# Altium PCB AD9954.PcbDoc
Units mm, origin at the board's own origin, x right, y up, seen from the top; angles counter-clockwise.
Board outline 70 x 49 mm, 2 copper layers (Top Layer, Bottom Layer); 82 components, 56 nets, 272 pads, 45 vias.
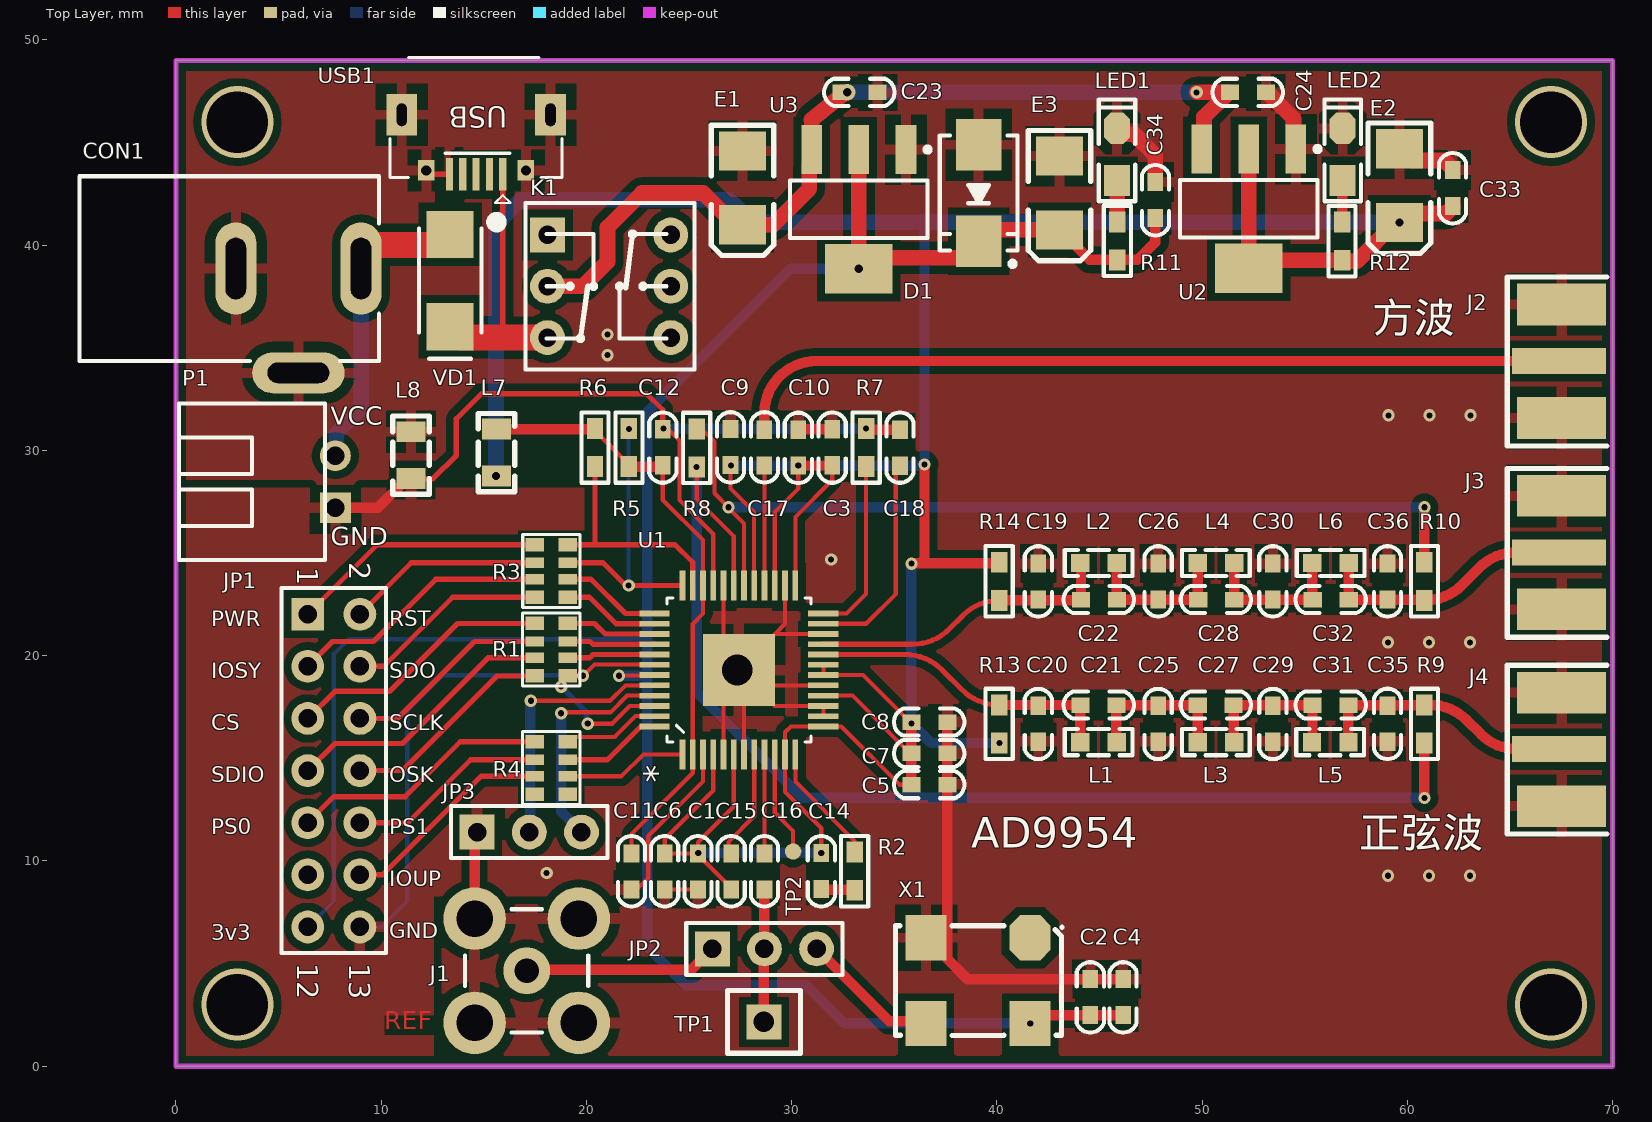
[diagram p0: Top Layer view]
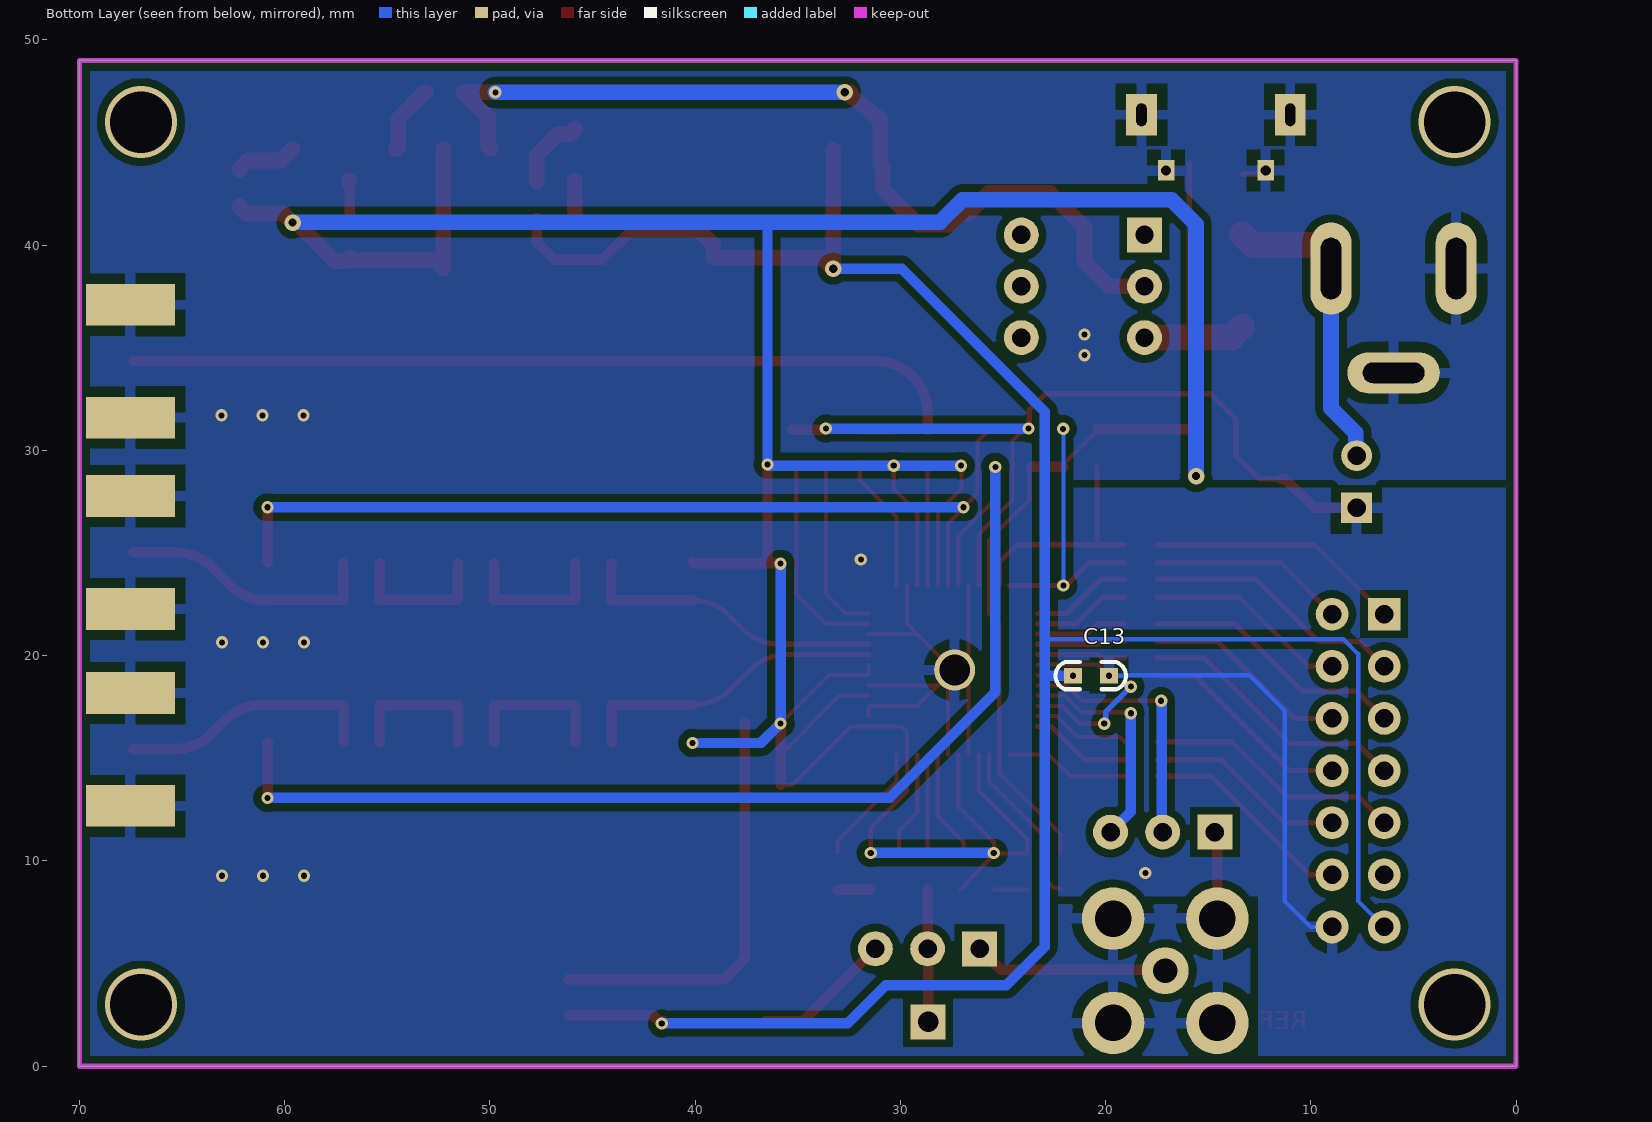
[diagram p1: Bottom Layer view, seen from below]

## Layer stack, top to bottom
Top Solder: solder mask 0.0102, Solder Resist, Dk 3.5
Top Layer: signal copper 0.0356
Dielectric 1: dielectric 0.32, FR-4, Dk 4.8
Bottom Layer: signal copper 0.0356
Bottom Solder: solder mask 0.0102, Solder Resist, Dk 3.5

## Board outline
0,0 70,0 70,49 0,49

## Design rules (kind name [scope] priority, off if disabled: settings)
Clearance [All] p1: gap=0.152 ignorepadtopadclearanceinfootprint=FALSE except(0: Arc-Hole Track-Hole SMDPad-Hole THPad-Hole Via-Hole Fill-Hole Poly-Text Poly-Hole Region-Hole Text-Hole; 0.381: Arc-Poly Track-Poly SMDPad-Poly THPad-Poly Via-Poly Fill-Poly Poly-Poly)
HoleSize [All] p1: absolutevalues=TRUE maxlimit=5.08 minlimit=0.025 maxpercent=80.000 minpercent=20.000
HoleToHoleClearance [All] p1: gap=0 allowstackedmicrovias=TRUE
MinimumSolderMaskSliver [All] p1: minsoldermaskwidth=0
PolygonConnect [All] p1: thpad.connectstyle=Relief thpad.reliefconductorwidth=0.508 thpad.reliefentries=4 thpad.polygonreliefangle="90 Angle" thpad.airgapwidth=0.508 smdpad.connectstyle=Relief smdpad.reliefconductorwidth=0.508 smdpad.reliefentries=4 smdpad.polygonreliefangle="90 Angle" smdpad.airgapwidth=0.508 via.connectstyle=Direct via.reliefconductorwidth=0.508 via.reliefentries=4 via.polygonreliefangle="90 Angle" via.airgapwidth=0.508
RoutingVias [All] p1: holewidth=0.3 width=0.6 viastyle="Through Hole" minholewidth=0.3 minwidth=0.6 maxholewidth=3 maxwidth=4
ShortCircuit [All] p1: allowed=TRUE
SilkToSilkClearance [All] p1: silktosilkclearance=0
SilkToSolderMaskClearance [IsPad] p1: minsilkscreentomaskgap=0 clearancetoexposedcopper=TRUE
SolderMaskExpansion [All] p1: expansion=0.102
Width [All] p1: maxlimit=5.08 minlimit=0.025 preferedwidth=0.254
24 further rules are at their usual default settings.

## Components (designator, comment, footprint, x,y, rotation, side; value= is the part's Value field where it differs from the comment)
C1 "104" "C 0603" 25.438,9.5 r90 top
C2 "103" "C 0603" 44.552,3.353 r270 top
C3 "104" "C 0603" 31.978,30.139 r270 top
C4 "104" "C 0603" 46.152,3.353 r270 top
C5 "104" "C 0603" 36.703,13.716 r180 top
C6 "104" "C 0603" 23.819,9.5 r90 top
C7 "104" "C 0603" 36.703,15.24 r180 top
C8 "104" "C 0603" 36.703,16.764 r180 top
C9 "104" "C 0603" 27.026,30.15 r270 top
C10 "104" "C 0603" 30.327,30.124 r270 top
C11 "104" "C 0603" 22.2,9.5 r90 top
C12 "104" "C 0603" 23.722,30.139 r270 top
C13 "104" "C 0603" 20.726,19.025 r0 bottom
C14 "0.01uF" "C 0603" 31.445,9.5 r270 top
C15 "0.1uF" "C 0603" 27.057,9.5 r90 top
C16 "0.01uF" "C 0603" 28.677,9.5 r90 top
C17 "0.1uF" "C 0603" 28.676,30.15 r90 top
C18 "1uF" "C 0603" 35.281,30.139 r90 top
C19 "22pF" "C 0603" 42.018,23.622 r90 top
C20 "22pF" "C 0603" 42.018,16.673 r270 top
C21 "2.2pF" "C 0603" 44.964,17.592 r0 top
C22 "2.2pF" "C 0603" 44.964,22.733 r180 top
C23 "103" "C 0603" 33.299,47.447 r180 top
C24 "103" "C 0603" 52.222,47.447 r180 top
C25 "33pF" "C 0603" 47.86,16.673 r270 top
C26 "33pF" "C 0603" 47.86,23.622 r90 top
C27 "6.8pF" "C 0603" 50.673,17.592 r0 top
C28 "6.8pF" "C 0603" 50.673,22.733 r180 top
C29 "27pF" "C 0603" 53.448,16.673 r270 top
C30 "27pF" "C 0603" 53.448,23.622 r90 top
C31 "13pF" "C 0603" 56.267,17.592 r0 top
C32 "13pF" "C 0603" 56.261,22.733 r180 top
C33 "104" "C 0603" 62.205,42.774 r270 top
C34 "104" "C 0603" 47.727,42.189 r270 top
C35 "13pF" "C 0603" 59.036,16.675 r270 top
C36 "13pF" "C 0603" 59.036,23.622 r90 top
CON1 "3.5*1.3" DC-005 9.906,38.862 r180 top
D1 "SMBJ3.3A" SMB 39.116,42.545 r270 top
E1 "100uF" "CD B(3528)" 27.61,42.799 r90 top
E2 "10uF" "CD B(3528)" 59.614,42.901 r90 top
E3 "10uF" "CD B(3528)" 43.053,42.545 r90 top
J1 "COAX" MCX5.08-5 17.094,4.648 r270 top
J2 "COAX" MCX5.08-5-H 67.386,34.358 r180 top
J3 "COAX" MCX5.08-5-H 67.386,25.036 r180 top
J4 "COAX" MCX5.08-5-H 67.386,15.446 r180 top
JP1 "Header 2X7" HDR-7X2 6.426,22.022 r270 top
JP2 "HDR-1X3" HDR-1X3 26.137,5.715 r0 top
JP3 "HDR-1X3" HDR-1X3 14.681,11.405 r0 top
K1 "BUTTON" "KFT DIP-8X8" 21.107,37.998 r0 top
L1 "68nH" "L 0603" 44.958,15.786 r180 top
L2 "68nH" "L 0603" 44.958,24.511 r0 top
L3 "56nH" "L 0603" 50.673,15.786 r180 top
L4 "56nH" "L 0603" 50.673,24.511 r0 top
L5 "39nH" "L 0603" 56.242,15.786 r180 top
L6 "39nH" "L 0603" 56.261,24.511 r0 top
L7 "10uH" "L 0805" 15.621,29.896 r90 top
L8 "10uH" "L 0805" 11.455,29.769 r270 top
LED1 "红色" "LED 0805G" 45.853,44.425 r90 top
LED2 "红色" "LED 0805G" 56.852,44.425 r90 top
P1 "Header 2" HDR2X1_B2 7.772,27.203 r90 top
R1 "100R" RCA-8P4R-0603 18.288,20.295 r270 top
R2 "240R" "R 0603" 33.071,9.5 r90 top
R3 "100R" RCA-8P4R-0603 18.296,24.126 r270 top
R4 "100R" RCA-8P4R-0603 18.288,14.529 r270 top
R5 "4.7K" "R 0603" 22.073,30.138 r270 top
R6 "4.7K" "R 0603" 20.422,30.138 r90 top
R7 "3.9K" "R 0603" 33.631,30.138 r90 top
R8 "75R" "R 0603" 25.375,30.124 r270 top
R9 "75R" "R 0603" 60.833,16.675 r270 top
R10 "75R" "R 0603" 60.833,23.622 r90 top
R11 "1.1K" "R 0603" 45.872,40.208 r270 top
R12 "470R" "R 0603" 56.82,40.195 r270 top
R13 "75R" "R 0603" 40.113,16.673 r270 top
R14 "75R" "R 0603" 40.113,23.622 r270 top
TP1 "TEST TP" "TEST TP1.4_B" 28.651,2.159 r0 top
TP2 "CHECK" CHECK-C 30.074,10.465 r0 top
U1 "AD9954" SV_48_4 27.432,19.304 r90 top value=Value
U2 "AMS1117-1.8" SOT223_N 52.273,41.783 r270 top
U3 "AMS1117-3.3" SOT223_N 33.274,41.758 r270 top
USB1 "USB-5P" USB-MICRO_B 14.63,46.355 r180 top
VD1 "SS34" DIODE-SMA 13.36,38.278 r270 top
X1 "XTAL" X-CPX75 39.294,4.343 r180 top

## Footprints (in the part's own frame and the unit in brackets; to place one, negate y for a bottom-side part, rotate by r counter-clockwise, add the part's x,y. Pads: shape width x height; smd on the part's side, far side on the other; paste and mask are expansions set on the pad)
"C 0603" [mil] "无极性贴片电容"
  rect 35x30 smd: 1(-35,0) 2(34,0)
  silkscreen extent -67,-26 67,26, body extent -31,-16 31,16, height 32
"CD B(3528)" [mil] "长3.5mm，宽2.8mm，厚1.9mm"
  rect 75x90 smd: 1(-70.87,-0.01) 2(70.86,-0.01)
  silkscreen extent -130,-60 120,60, body extent -69,-55 69,55, height 75
CHECK-C [mm] "测试点"
  round 0.8 smd: 1(0,0)
DC-005 [mm] "DC母座5.5mm"
  oval 2x4.5 hole 1 slot 3 at 90 deg: 1(0.889,0) 2(6.985,0)
  oval 4.5x2 hole 1 slot 3 at 0 deg: 3(3.937,5.08)
  silkscreen extent 0,-4.5 14.6,4.5, body extent 0,-4.44 14.6,4.45, height 11
DIODE-SMA [mm] "贴片二极管"
  rect 2.3x2.3 smd: 1(-2.25,0) 2(2.25,0)
  silkscreen extent -2.54,-1.52 3.81,1.52, body extent -2.92,-1.4 2.92,1.4, height 3
HDR2X1_B2 [mm] "Connector; Header; 4 Position"
  rect 1.5x1.5 hole 0.9: 1(0,0)
  round 1.5 hole 0.9: 2(2.54,0)
  silkscreen extent -2.54,0.5 5.08,7.62, body extent -2.54,0.38 5.08,7.62, height 5.5
HDR-1X3 [mm] "排针，3脚"
  rect 1.7x1.7 hole 0.9: 1(0,0)
  round 1.7 hole 0.9: 2(2.54,0) 3(5.08,0)
  silkscreen extent -1.27,-1.27 6.35,1.27, body extent -1.27,-1.27 6.35,1.27, height 8.5
HDR-7X2 [mm] "双排排针，7x2脚"
  rect 1.6x1.6 hole 0.9: 1(0,0)
  round 1.6 hole 0.9: 2(0,2.54) 3(2.54,0) 4(2.54,2.54) 5(5.08,0) 6(5.08,2.54) 7(7.62,0) 8(7.62,2.54) 9(10.16,0) 10(10.16,2.54) 11(12.7,0) 12(12.7,2.54) 13(15.24,0) 14(15.24,2.54)
  silkscreen extent -1.27,-1.27 16.51,3.81, body extent -1.27,-1.27 16.51,3.81, height 8.5
"KFT DIP-8X8" [mm] "自锁开关，规格：8*8mm"
  rect 1.7x1.7 hole 0.9: 1(-3,2.5)
  round 1.7 hole 0.9: 2(-3,0) 3(-3,-2.5) 4(3,-2.5) 5(3,0) 6(3,2.5)
  silkscreen extent -5.69,-4.06 4.15,4.06, body extent -3.95,-4.05 4.05,3.95, height 13.1
"L 0603" [mil] "小功率贴片电感"
  rect 35x35 smd: 1(-35,0) 2(35,0)
  silkscreen extent -65,-25 65,25, body extent -31,-16 31,16, height 31
"L 0805" [mil] "小功率贴片电感"
  rect 40x55 smd: 1(-45,0) 2(45,0)
  silkscreen extent -75,-35 75,35, body extent -39,-24 39,24, height 35
"LED 0805G" [mil] "绿色0805LED"
  rect 60x50 smd: 1(-50,0)
  oct 60x50 smd: 2(50,0)
  silkscreen extent -90,-35 105,35, body extent -39,-25 39,25, height 32
MCX5.08-5 [mil] "Connector; RF Coaxial, MCX, Thru-Hole; 5 Position; Right-Angle"
  round 90 hole 47.24: 1(0,0)
  round 120 hole 70: 2(-100,-100) 3(100,-100) 4(100,100) 5(-100,100)
  silkscreen extent -118,-118 118,118
MCX5.08-5-H [mil]
  rect 180x50 smd: 1(0,0)
  rect 170x80 smd: 2(-5,109.25) 5(-5,-108.27)
  rect 170x80 smd far side: 3(-5,108.66) 4(-5,-107.87)
  silkscreen extent -92,-161 99,163, body extent -93,-132 80,134, height 39
"R 0603" [mil] "1/10W贴片电阻"
  rect 40x31.5 smd: 1(-36.5,0) 2(36.5,0)
  silkscreen extent -68,-26 68,26, body extent -31,-16 32,16, height 16
RCA-8P4R-0603 [mm] "3.2mm*1.6mm*0.6mm(长*宽*厚)"
  rect 0.65x0.9 smd: 1(-1.28,-0.8) 4(1.28,-0.8) 5(1.28,0.8) 8(-1.28,0.8)
  rect 0.5x0.9 smd: 2(-0.4,-0.8) 3(0.4,-0.8) 6(0.4,0.8) 7(-0.4,0.8)
  silkscreen extent -1.78,-1.4 1.78,1.4, body extent -1.6,-0.8 1.6,0.8, height 0.6
SMB [mm] "18*7.1mm(宽高)"
  rect 2.5x2.2 smd: 1(-2.35,0) 2(2.35,0)
  silkscreen extent -2.8,-1.9 3.57,1.9, body extent -2.63,-1.8 2.67,1.8, height 2.35
SOT223_N [mm] "SOT223, 4-Leads, Body 6.5x3.5mm, Pitch 2.3mm, Lead Span 7mm, IPC Medium Density"
  rect 2.4x1 smd: 1(-2.9,2.3) 2(-2.9,0) 3(-2.9,-2.3)
  rect 2.4x3.3 smd: 4(2.9,0)
  silkscreen extent -3.02,-3.35 1.4,3.48, body extent -1.85,-3.35 1.85,3.35, height 1.7
SV_48_4 [mil]
  rect 58x11 smd mask+5: 1(-162,108.27) 2(-162,88.58) 3(-162,68.9) 4(-162,49.21) 5(-162,29.53) 6(-162,9.84) 7(-162,-9.84) 8(-162,-29.53) 9(-162,-49.21) 10(-162,-68.9) 11(-162,-88.58) 12(-162,-108.27) 25(162,-108.27) 26(162,-88.58) 27(162,-68.9) 28(162,-49.21) 29(162,-29.53) 30(162,-9.84) 31(162,9.84) 32(162,29.53) 33(162,49.21) 34(162,68.9) 35(162,88.58) 36(162,108.27)
  rect 11x58 smd mask+5: 13(-108.27,-162) 14(-88.58,-162) 15(-68.9,-162) 16(-49.21,-162) 17(-29.53,-162) 18(-9.84,-162) 19(9.84,-162) 20(29.53,-162) 21(49.21,-162) 22(68.9,-162) 23(88.58,-162) 24(108.27,-162) 37(108.27,162) 38(88.58,162) 39(68.9,162) 40(49.21,162) 41(29.53,162) 42(9.84,162) 43(-9.84,162) 44(-29.53,162) 45(-49.21,162) 46(-68.9,162) 47(-88.58,162) 48(-108.27,162)
  rect 138x138 smd: 49(0,0)
  silkscreen extent -138,-138 138,138, body extent -177,-177 177,177, height 47
"TEST TP1.4_B" [mm] "蓝色，测试环"
  rect 1.7x1.7 hole 1: 1(0,0)
  silkscreen extent -1.78,-1.52 1.78,1.52, body extent -1.67,-1.4 1.67,1.4, height 5.41
USB-MICRO_B [mm] "micro型USB ，5.7*7.8*2.5mm"
  rect 0.35x1.6 smd: 1(-1.3,2.9) 2(-0.65,2.9) 3(0,2.9) 4(0.65,2.9) 5(1.3,2.9)
  rect 1.5x2 hole 0.5 slot 1.1 at 90 deg: 5(-3.625,0) 5(3.625,0)
  rect 0.8x1 hole 0.5: 5(-2.425,2.71) 5(2.425,2.71)
  silkscreen extent -4.19,-2.79 4.19,4.3, body extent -4,-2.71 4,2.89, height 2.8
X-CPX75 [mm]
  oct 2x2.2 smd: 1(-2.331,-1.915)
  rect 2x2.2 smd: 2(2.741,-1.915) 3(2.741,2.261) 4(-2.331,2.261)
  silkscreen extent -3.88,-2.5 4.23,2.84, body extent -3.86,-2.49 4.24,2.84, height 1.75

## Part data
C1 C2 C3 C4 C5 C6 C7 C8 C9 C10 C11 C12 C13 C14 C15 C16 C17 C18 C19 C20 C21 C22 C23 C24 C25 C26 C27 C28 C29 C30 C31 C32 C33 C34 C35 C36: library part C, "无极性贴片电容"
CON1: library part P-DC, "低压电源接口", BOM名称=D, 学习资源=ww
D1: library part SMBJ, "TVS"
E1 E2 E3: library part C-CD, "贴片钽电容"
JP1: library part "Header 7X2", "7*2P接插件", BOM名称=7*, 学习资源=ww
JP2 JP3: library part "Header 3", "3P接插件", 学习资源=ww
L1 L2 L3 L4 L5 L6 L7 L8: library part L, "小功率贴片电感"
LED1 LED2: library part LED-SMD, "贴片LED", 学习资源=ww
P1: "接插件", LatestRevisionDate=17-Jul-2002, LatestRevisionNote="Re-released for DXP Platform.", Publisher="Altium Limited"
R1 R3 R4: library part R-8P4R, "贴片网络排阻"
R2 R5 R6 R7 R8 R9 R10 R11 R12 R13 R14: library part R, "贴片电阻"
TP1: "测试环"
TP2: "测试点"
U1: library part AD9954YSVZ, "400MSPS、14位、1.8V CMOS、直接数字频率合成器", Manufacturer_Part_Number=AD9954YSVZ, RefDes=Refdes, Type=Type, Vendor=Vendor
U2 U3: library part AMS1117
USB1: "微型USB母座", 学习资源=ww
VD1: "肖特基二极管"
X1: library part XTAL_Oscillator, "有源晶振", Frequency=20MHz

## Free pads (board coordinates)
  round 2 hole 1.5: 2(27.356,19.304)

## Via types
v1: diameter 0.6, hole 0.3, Top Layer to Bottom Layer, tented both sides, 36 vias
v2: diameter 0.8, hole 0.4, Top Layer to Bottom Layer, tented both sides, 4 vias
v3: diameter 3.5, hole 3, Top Layer to Bottom Layer, tented both sides, 4 vias
v4: diameter 0.6, hole 0.3, Top Layer to Bottom Layer, 1 vias

## Nets (pads, with @x,y where several pads share a name; then routed paths per layer and width w, separated by ;. In a path a pad name is that pad's centre, name@x,y a point inside that pad or via, vN(x,y) a via of type N, cw(c..) or ccw(c..) an arc to the next point about the centre after c; other vN are vias at no path point)
3V3: C2.2 C4.2 C13.2 C34.2 D1.2 E3.1 JP1.13 R11.2 U1.43 U3.2 U3.4 X1.4 | length 120.2
  Top Layer w0.203: v1(21.59,19.025) 21.605,19.039 23.303,19.039 U1.43
  Top Layer w0.508: X1.4@41.58,2.184 41.625,2.139 v1(41.625,2.083) 42.031,2.489 C2.2 C4.2 ; E3.1 44.517,39.281 R11.2 46.855,39.281 47.727,40.153 C34.2
  Top Layer w0.762: U3.2 v2(33.274,38.858) 33.806,39.389 39.116,39.389 39.116,40.026 39.835,40.745 E3.1
  Bottom Layer w0.203: JP1.13 7.696,8.052 7.696,20.091 8.407,20.803 22.784,20.803
  Bottom Layer w0.508: C13.2@21.615,19.05 v1(21.59,19.025) 22.962,19.025 ; v2(33.274,38.858) 29.942,38.858 22.962,31.877 22.962,19.025 ; v1(41.625,2.083) 32.563,2.083 30.709,3.937 24.841,3.937 22.962,5.817 22.962,19.025
AVDD: C1.2 C3.2 C5.2 C6.2 C7.2 C8.2 C9.2 C10.2 C14.1 C15.1 C33.2 E2.1 L7.1 R12.2 R13.2 R14.1 U1.4 U1.6 U1.11 U1.13 U1.16 U1.18 U1.19 U1.25 U1.27 U1.29 U2.2 U2.4 | length 188.1
  Top Layer w0.203: C1.2@25.438,10.3 26.778,8.96 26.778,8.89 C15.1 ; C1.2 C6.2 23.819,11.068 26.182,13.431 U1.4 ; C1.2@25.438,10.389 25.438,10.909 27.182,12.653 U1.6 ; C9.2 27.026,28.143 28.169,27 28.169,23.432 U1.29 ; U1.27 29.182,26.998 30.327,28.143 v1(30.327,29.261) ; U1.25@30.182,23.381 U1.25 30.182,26.764 31.979,28.56 C3.2 ; v1(31.445,10.389) 31.445,11.608 29.682,13.371 U1.11 29.682,16.271 29.965,16.554 U1.13 32.417,16.554 35.255,13.716 C5.2 ; U1.16 32.962,18.054 35.776,15.24 C7.2 ; U1.19 U1.18 33.486,19.054 C8.2@35.776,16.764 ; v1(35.839,16.7) C8.2
  Top Layer w0.508: C9.2 v1(27.051,29.261) ; v1(30.327,29.261) 30.335,29.268 31.971,29.268 C3.2 ; C8.2@35.776,16.764 v1(35.839,16.7) C7.2 C5.2 ; v1(35.839,24.486) 35.857,24.503 36.289,24.503 ; v1(36.474,29.312) 36.474,24.689 36.289,24.503 ; R13.2 v1(40.13,15.746) ; R14.1 40.067,24.503 36.289,24.503
  Top Layer w0.762: U2.2 U2.4 52.658,39.268 R12.2 56.82,39.376 56.978,39.218 57.541,39.218 59.423,41.1 v2(59.614,41.1) 60.055,41.542 61.9,41.542 62.205,41.846 C33.2
  Bottom Layer w0.508: v1(25.451,10.389) v1(31.445,10.389) ; v1(27.051,29.261) v1(30.327,29.261) 36.399,29.261 36.45,29.312 v1(36.474,29.312) 36.474,40.923 36.678,41.126 ; v1(35.839,24.486) v1(35.839,16.7) 36.794,15.746 v1(40.13,15.746)
  Bottom Layer w0.762: v2(15.596,28.753) 15.596,41.021 16.789,42.215 26.975,42.215 28.064,41.126 36.678,41.126 v2@59.614,41.126
AVSS: C1.1 C2.1 C3.1 C4.1 C5.1 C6.1 C7.1 C8.1 C9.1 C10.1 C19.2 C20.2 C23.1 C24.1 C25.2 C26.2 C29.2 C30.2 C33.1 C34.1 C35.2 C36.2 CON1.2 CON1.3 D1.1 E1.2 E2.2 E3.2 J1.2 J1.3 J1.4 J1.5 J2.2 J2.3 J2.4 J2.5 J3.2 J3.3 J3.4 J3.5 J4.2 J4.3 J4.4 J4.5 JP3.1 L8.1 LED1.2 LED2.2 pad.2 U1.5 U1.7 U1.14 U1.15 U1.17 U1.22 U1.26 U1.32 U1.49 U2.1 U3.1 USB1.5 X1.2 | length 68.3
  Top Layer w0.203: C6.1 C1.1 ; U1.5 26.682,18.554 U1.49 ; U1.32 26.682,20.054 U1.49 ; U1.7 U1.49@27.682,19.054 ; U1.26 29.682,21.554 U1.49@29.182,21.054 ; U1.14 U1.15 29.182,17.554 U1.49@28.182,18.554 ; U1.17 U1.49@28.182,18.554 ; U1.22 U1.49@29.182,21.054 ; U1.49 U1.49@29.182,21.054 ; U1.49 U1.49@27.682,19.054 ; U1.49@27.682,19.054 U1.49@28.182,18.554
  Top Layer w0.254: USB1.5@12.205,43.645 12.395,43.455 USB1.5@13.33,43.455
  Top Layer w0.508: J1.2 14.554,11.278 JP3.1 ; C10.1 30.327,31.028 C3.1 ; C8.1 C7.1 C5.1 37.592,5.232 37.586,5.226 38.57,4.242 C2.1 C4.1
  Top Layer w0.762: LED1.2 45.853,45.662 46.107,45.408 46.692,45.408 47.727,44.374 C34.1 ; C24.1 53.175,47.447 54.454,46.168 54.454,44.802 U2.1 ; E2.2 60.185,44.129 61.802,44.129 62.205,43.726 C33.1
  other v1: 59.055,9.279 61.055,9.279 63.055,9.279 59.055,20.65 61.055,20.65 63.055,20.65 31.928,24.689 59.08,31.71 61.08,31.71 63.08,31.71 21.031,34.646 21.031,35.646
CS: JP1.5 R1.1 | length 13
  Top Layer w0.254: JP1.5 7.747,18.263 10.413,18.263 13.725,21.575 R1.1
DVDD: C11.2 C12.2 L7.2 R5.2 R6.2 U1.2 U1.34 | length 30.2
  Top Layer w0.203: R6.2 20.422,30.957 21.761,29.617 21.774,29.617 22.073,29.319 R5.2 ; C11.2 22.2,11.303 25.182,14.285 U1.2 25.182,21.55 25.682,22.05 U1.34 25.682,25.634 23.722,27.594 C12.2 C12.2@23.658,29.211
  Top Layer w0.508: L7.2 20.395,31.039 R6.2 ; R5.2 C12.2@23.658,29.211
GND: C11.1 C12.1 C13.1 C18.2 JP1.14 L8.2 P1.1 R7.2 U1.3 U1.33 U1.42 | length 74.3
  Top Layer w0.203: v1(19.837,19.025) 20.391,19.579 23.293,19.579 U1.42 ; C11.1 22.2,8.674 22.517,8.674 23.012,9.169 23.012,11.201 25.682,13.871 U1.3 ; C12.1@23.988,31.028 24.536,30.48 24.536,27.579 26.182,25.933 U1.33
  Top Layer w0.254: L8.2 12.535,28.626 13.665,29.756 13.665,31.547 14.884,32.766 22.936,32.766 23.722,31.98 C12.1
  Top Layer w0.508: P1.1 9.842,27.203 11.265,28.626 L8.2 ; C12.1 v1(23.759,31.065) ; v1(33.631,31.065) ccw(c33.693,31.065) 33.693,31.003 C18.2
  Bottom Layer w0.203: JP1.14 10.008,6.782 11.278,8.052 11.278,17.323 13,19.045 19,19.045 19.021,19.025 v1(19.837,19.025) 19.837,19.05 C13.1@20.015,19.228
  Bottom Layer w0.508: v1(23.759,31.065) v1(33.631,31.065)
  other v4: 18.066,9.411
I\O\U\T\: C31.2 C35.1 J4.1 L5.1 R9.1 | length 12.7
  Top Layer w0.508: L5.1 C31.2 60.809,17.592 ccw(c60.809,17.627) R9.1 61.102,17.602 cw(c61.102,15.062) 62.898,16.858 63.566,16.19 ccw(c65.362,17.986) 65.362,15.446 J4.1
IOSY: JP1.3 R3.3 | length 12.8
  Top Layer w0.254: JP1.3 7.639,20.695 9.635,20.695 12.666,23.726 R3.3
IOUP: JP1.12 R4.3 | length 10.5
  Top Layer w0.254: JP1.12 10.058,9.322 14.866,14.129 R4.3
IOUT: C32.1 C36.1 J3.1 L6.2 R10.1 | length 12.8
  Top Layer w0.508: L6.2 C32.1 C36.1 60.795,22.733 cw(c60.795,22.695) R10.1 60.86,22.695 ccw(c60.86,25.235) 62.656,23.439 63.509,24.292 cw(c65.306,22.496) 65.306,25.036 J3.1
NetC14_2: C14.2 R2.1 | length 1.7
  Top Layer w0.508: C14.2 31.477,8.604 33.039,8.604 R2.1
NetC15_2: C15.2 U1.8 | length 5.3
  Top Layer w0.203: C15.2@26.924,10.389 26.924,10.922 28.182,12.18 U1.8
NetC16_1: C16.1 JP2.2 TP1.1 | length 6.5
  Top Layer w0.508: TP1.1 28.651,5.69 JP2.2 C16.1
NetC16_2: C16.2 U1.9 | length 4.8
  Top Layer w0.203: C16.2@28.575,10.389 28.682,10.496 U1.9
NetC17_1: C17.1 U1.28 | length 5.8
  Top Layer w0.203: C17.1 28.682,29.255 U1.28
NetC17_2: C17.2 J2.1 | length 41
  Top Layer w0.508: C17.2 28.676,31.818 cw(c31.216,31.818) 31.216,34.358 J2.1
NetC18_1: C18.1 U1.23 | length 10.5
  Top Layer w0.203: U1.23 33.619,21.554 35.077,23.012 35.077,29.047 C18.1
NetC19_1: C19.1 C22.2 L2.1 R14.2 U1.21 | length 15
  Top Layer w0.254: U1.21 35.885,20.554 ccw(c35.885,23.094) 37.681,21.298 38.346,21.963 cw(c40.113,20.196) R14.2
  Top Layer w0.508: R14.2 44.009,22.695 ccw(c44.009,22.825) C22.2 44.101,24.434 ccw(c43.992,24.434) L2.1
NetC20_1: C20.1 C21.1 L1.2 R13.1 U1.20 | length 15.1
  Top Layer w0.254: U1.20 35.536,20.054 cw(c35.536,17.514) 37.332,19.31 38.298,18.344 ccw(c40.094,20.14) 40.094,17.6 R13.1
  Top Layer w0.508: R13.1 40.117,17.596 44.071,17.596 C21.1 44.072,17.589 44.072,15.789 L1.2
NetC21_2: C21.2 C25.1 C27.1 L1.1 L3.2 | length 7.6
  Top Layer w0.508: L1.1 cw(c45.893,15.832) 45.828,15.832 C21.2 C27.1 L3.2
NetC22_1: C22.1 C26.1 C28.2 L2.2 L4.1 | length 7.5
  Top Layer w0.508: L2.2 45.85,24.508 45.85,22.736 C22.1 C26.1 C28.2 cw(c49.871,22.794) 49.784,22.794 L4.1
NetC23_2: C23.2 C24.2 E1.1 K1.2 U2.3 U3.3 | length 44.8
  Top Layer w0.762: K1.2 19.837,37.998 21.031,39.192 21.031,40.869 22.708,42.545 25.699,42.545 26.708,41.537 27.072,41.537 E1.1 29.112,40.999 30.855,42.742 30.855,43.839 30.974,43.958 U3.3 30.974,46.1 30.963,46.111 32.508,47.357 v2(32.715,47.447) C23.2 ; v1(49.733,47.447) 51.295,47.447 50.092,46.244 50.092,44.802 U2.3
  Bottom Layer w0.762: v2(32.715,47.447) v1(49.733,47.447)
NetC27_2: C27.2 C29.1 C31.1 L3.1 L5.2 | length 7.5
  Top Layer w0.508: L3.1 cw(c51.623,15.847) 51.537,15.847 C27.2 C31.1 55.378,15.847 cw(c55.292,15.847) L5.2
NetC28_1: C28.1 C30.1 C32.2 L4.2 L6.1 | length 7.4
  Top Layer w0.508: L4.2 C28.1 C30.1 C32.2 cw(c55.459,22.794) 55.372,22.794 L6.1
NetJ1_1: J1.1 JP2.1 | length 8.6
  Top Layer w0.508: J1.1@17.932,4.699 25.121,4.699 JP2.1
NetJP2_3: JP2.3 X1.3 | length 6.9
  Top Layer w0.508: JP2.3 34.749,2.183 36.553,2.183 X1.3
NetJP3_2: JP3.2 U1.44 | length 12.8
  Top Layer w0.203: v1(17.297,17.805) 21.154,17.805 21.903,18.554 U1.44
  Bottom Layer w0.203: JP3.2 JP3.2@17.259,11.443 ; v1@17.259,17.767 v1(17.297,17.805)
  Bottom Layer w0.508: JP3.2@17.259,11.443 v1@17.259,17.767
NetJP3_3: JP3.3 U1.45 | length 11.1
  Top Layer w0.203: v1(18.771,17.196) 18.817,17.242 21.179,17.242 21.991,18.054 U1.45
  Bottom Layer w0.508: v1(18.771,17.196) 18.771,12.395 JP3.3
NetLED1_1: LED1.1 R11.1 | length 2
  Top Layer w0.762: LED1.1 45.863,43.145 45.863,41.145 R11.1
NetLED2_1: LED2.1 R12.1 | length 2.1
  Top Layer w0.508: R12.1@56.836,41.138 LED2.1@56.836,43.139
  Top Layer w0.762: R12.1 R12.1@56.836,41.138 ; LED2.1@56.836,43.139 LED2.1 ; LED2.1@56.852,43.075 LED2.1@56.883,43.043
NetR1_5: R1.5 U1.46 | length 5.9
  Top Layer w0.203: v1(20.066,16.688) 21.26,16.688 22.113,17.541 23.304,17.541 U1.46
  Bottom Layer w0.254: v1(18.771,18.491) 20,17.262 20,16.754 v1(20.066,16.688)
NetR1_6: R1.6 U1.41 | length 4.3
  Top Layer w0.254: R1.6 20.169,19.895 20.328,20.054 U1.41
NetR1_7: R1.7 U1.40 | length 4.3
  Top Layer w0.254: R1.7 20.187,20.695 20.328,20.554 U1.40
NetR1_8: R1.8 U1.39 | length 4.4
  Top Layer w0.254: R1.8 20.397,21.575 20.917,21.054 U1.39
NetR2_2: R2.2 U1.12 | length 6
  Top Layer w0.203: U1.12 30.182,13.862 33.071,10.973 R2.2
NetR3_5: R3.5 U1.38 | length 4.8
  Top Layer w0.254: R3.5 R3.5 20.149,22.845 21.44,21.554 U1.38
NetR3_6: R3.6 U1.37 | length 4.9
  Top Layer w0.254: R3.6 20.229,23.726 21.901,22.054 U1.37
NetR3_7: R3.7 R5.1 U1.36 | length 13.7
  Top Layer w0.203: v1(22.073,31.051) R5.1
  Top Layer w0.254: R3.7 20.809,24.526 21.916,23.419 v1(22.058,23.419) U1.36
  Bottom Layer w0.203: v1(22.058,23.419) 22.058,31.037 v1(22.073,31.051)
NetR3_8: R3.8 R6.1 U1.35 | length 11.4
  Top Layer w0.254: R3.8 20.422,25.406 ; R6.1 20.422,25.406 ; U1.35 25.182,24.549 24.325,25.406 20.422,25.406
NetR4_6: R4.6 U1.1 | length 6
  Top Layer w0.203: R4.6 21.717,14.129 22.777,15.189 U1.1
NetR4_7: R4.7 U1.48 | length 4.9
  Top Layer w0.254: R4.7 21.025,14.93 22.65,16.554 U1.48
NetR4_8: R4.8 U1.47 | length 4.7
  Top Layer w0.203: R4.8 19.311,16.033 21.38,16.033 22.401,17.054 U1.47
NetR7_1: R7.1 U1.24 | length 8.7
  Top Layer w0.203: U1.24 32.671,22.054 33.63,23.012 R7.1@33.63,29.211
NetR8_1: R8.1 R10.2 U1.30 | length 45.5
  Top Layer w0.203: R8.1 25.616,31.051 26.238,30.429 26.238,27.914 v1(26.924,27.229) 26.924,27.204 27.682,26.445 U1.30
  Top Layer w0.508: R10.2 v1(60.833,27.229)
  Bottom Layer w0.203: v1@26.847,27.33 ccw(c26.848,27.305) 26.822,27.305 26.899,27.229 v1(26.924,27.229)
  Bottom Layer w0.508: v1@26.949,27.229 v1(60.833,27.229)
NetR8_2: R8.2 R9.2 U1.31 | length 57.8
  Top Layer w0.203: v1(25.375,29.197) 25.375,27.635 27.178,25.832 27.178,23.423 U1.31
  Top Layer w0.508: v1(60.833,13.068) R9.2
  Bottom Layer w0.508: v1(25.375,29.197) 25.375,18.212 30.518,13.068 v1(60.833,13.068)
NetTP2_1: TP2.1 U1.10 | length 5.1
  Top Layer w0.203: U1.10 29.182,12.347 30.074,11.455 TP2.1
OSK: JP1.8 R1.4 | length 10.4
  Top Layer w0.254: JP1.8 11.035,14.402 15.648,19.015 R1.4
PS0: JP1.9 R4.1 | length 12.7
  Top Layer w0.254: JP1.9 7.696,13.132 11.179,13.132 13.857,15.81 R4.1
PS1: JP1.10 R4.2 | length 9.8
  Top Layer w0.254: JP1.10 11.302,11.862 14.37,14.93 R4.2
PWR: JP1.1 R3.1 | length 12.5
  Top Layer w0.254: JP1.1 9.81,25.406 R3.1
RESET: JP1.2 R3.2 | length 9.6
  Top Layer w0.254: JP1.2 11.47,24.526 R3.2
SCLK: JP1.6 R1.2 | length 10.1
  Top Layer w0.254: JP1.6 10.79,16.942 14.543,20.695 R1.2
SDIO: JP1.7 R1.3 | length 13.3
  Top Layer w0.254: JP1.7 7.747,15.723 11.044,15.723 15.216,19.895 R1.3
SDO: JP1.4 R3.4 | length 9.9
  Top Layer w0.254: JP1.4 10.126,19.482 13.49,22.846 R3.4
VDC: K1.3 USB1.1 VD1.2 | length 13.5
  Top Layer w0.254: USB1.1@15.926,44 15.926,35.651 16.078,35.498
  Top Layer w1.27: VD1.2 13.875,35.513 15.338,35.513 15.352,35.498 16.078,35.498 K1.3
VIN: CON1.1 P1.2 VD1.1 | length 15.2
  Top Layer w1.27: CON1.1 9.017,39.676 9.354,40.013 12.845,40.013 VD1.1
  Bottom Layer w0.762: P1.2 7.816,29.787 7.816,30.854 9.017,32.055 CON1.1 CON1.1@9.017,38.964
pads on no net: JP1.11 K1.1 K1.4 K1.5 K1.6 R4.4 R4.5 USB1.2 USB1.3 USB1.4 X1.1
copper on no net:
  other v3: 3,3 67,3 3,46 67,46

## Polygon pours and split planes (outlines as drawn)
AVSS on Top Layer "Top Layer-No Net" (solid, remove dead copper, pour order 8): 0,0 70,0 70,49 0,49
GND on Top Layer "Top Layer-GND" (solid, remove dead copper, pour order 6): -0.051,28.219 -0.025,28.194 22.581,28.194 22.581,8.331 22.631,8.28 12.573,8.28 12.573,-0.051 12.522,0 0,0
AVSS on Bottom Layer "Top Layer-AVSS" (solid, remove dead copper, pour order 11): 0,0 70,0 70,49 0,49
GND on Bottom Layer "Top Layer-GND1" (solid, remove dead copper, pour order 10): -0.051,28.219 -0.025,28.194 22.581,28.194 22.581,8.331 22.631,8.28 12.573,8.28 12.573,-0.051 12.522,0 0,0

## Keep-outs
Keep-Out Layer:
  the board outline again, w0.254

## Other copper
Top Layer:
  text "REF" at 10.16,1.499 h1.52

## Silkscreen, mask and mechanical layers (free items; w line width, h text height)
Top Overlay:
  text "方波" at 58.293,35.281 h2.54
  text "VCC" at 7.544,30.963 h1.52
  text "GND" at 7.544,25.095 h1.52
  text "PWR" at 1.727,21.434 h0.76
  text "RST" at 10.389,21.434 h0.76
  text "IOSY" at 1.727,18.898 h0.76
  text "SDO" at 10.389,18.898 h0.76
  text "CS" at 1.727,16.363 h0.76
  text "SCLK" at 10.389,16.363 h0.76
  text "SDIO" at 1.727,13.828 h0.76
  text "OSK" at 10.389,13.828 h0.76
  text "PS0" at 1.727,11.293 h0.76
  text "PS1" at 10.389,11.293 h0.76
  text "正弦波" at 57.658,10.185 h2.54
  text "AD9954" at 38.76,10.16 h2.54
  text "IOUP" at 10.389,8.758 h0.76
  text "GND" at 10.389,6.223 h0.76
  text "3v3" at 1.727,6.147 h0.76

## Text inside footprints (layer, text, board x,y; h text height)
JP1: Top Overlay "2" at 8.458,24.562 h1.02 r270; Top Overlay "1" at 5.918,24.308 h1.02 r270; Top Overlay "13" at 8.458,5.004 h1.02 r270; Top Overlay "12" at 5.918,5.004 h1.02 r270
U1: Top Overlay "*" at 24.051,13.818 h1.27 r90; Mechanical 13 "*" at 24.051,13.818 h1.27 r90
USB1: Top Overlay "USB" at 16.154,46.757 h1.02 r180